# Altium PCB UpDuino Camera Adaptor_V2.0_ASCII.PcbDoc
Units mm, origin at the board's own origin, x right, y up, seen from the top; angles counter-clockwise.
Board outline 50 x 24 mm, 4 copper layers (Top Layer, GND, PWR, Bottom Layer), stack 0.778 mm thick; 82 components, 69 nets, 292 pads, 127 vias.
Unrouted connection lines stored in the file: 121.
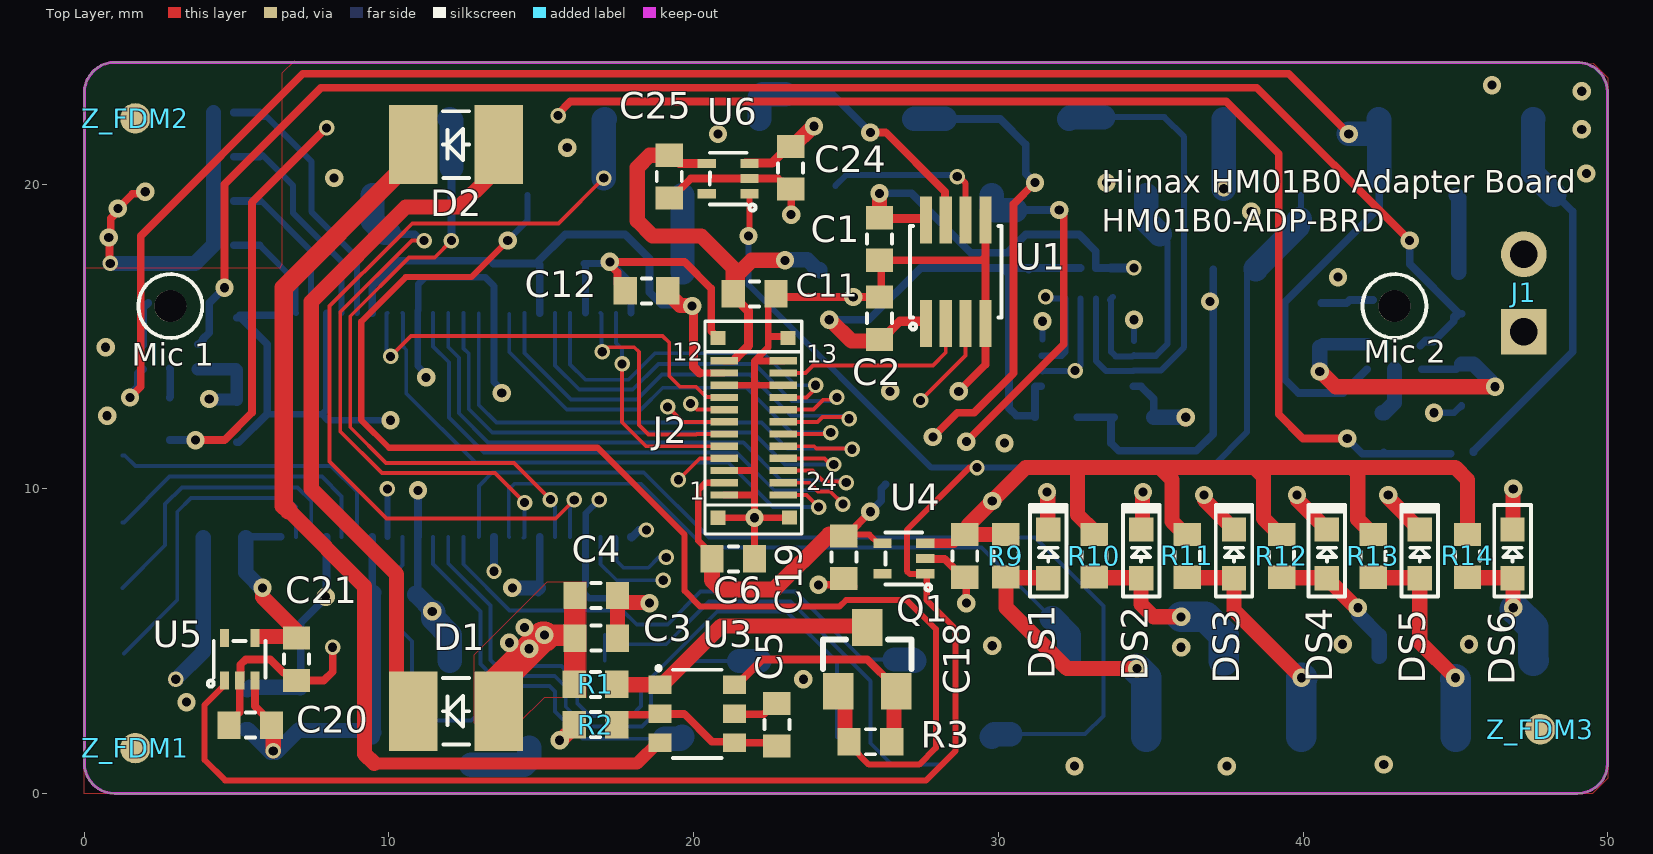
[diagram p0: Top Layer view]
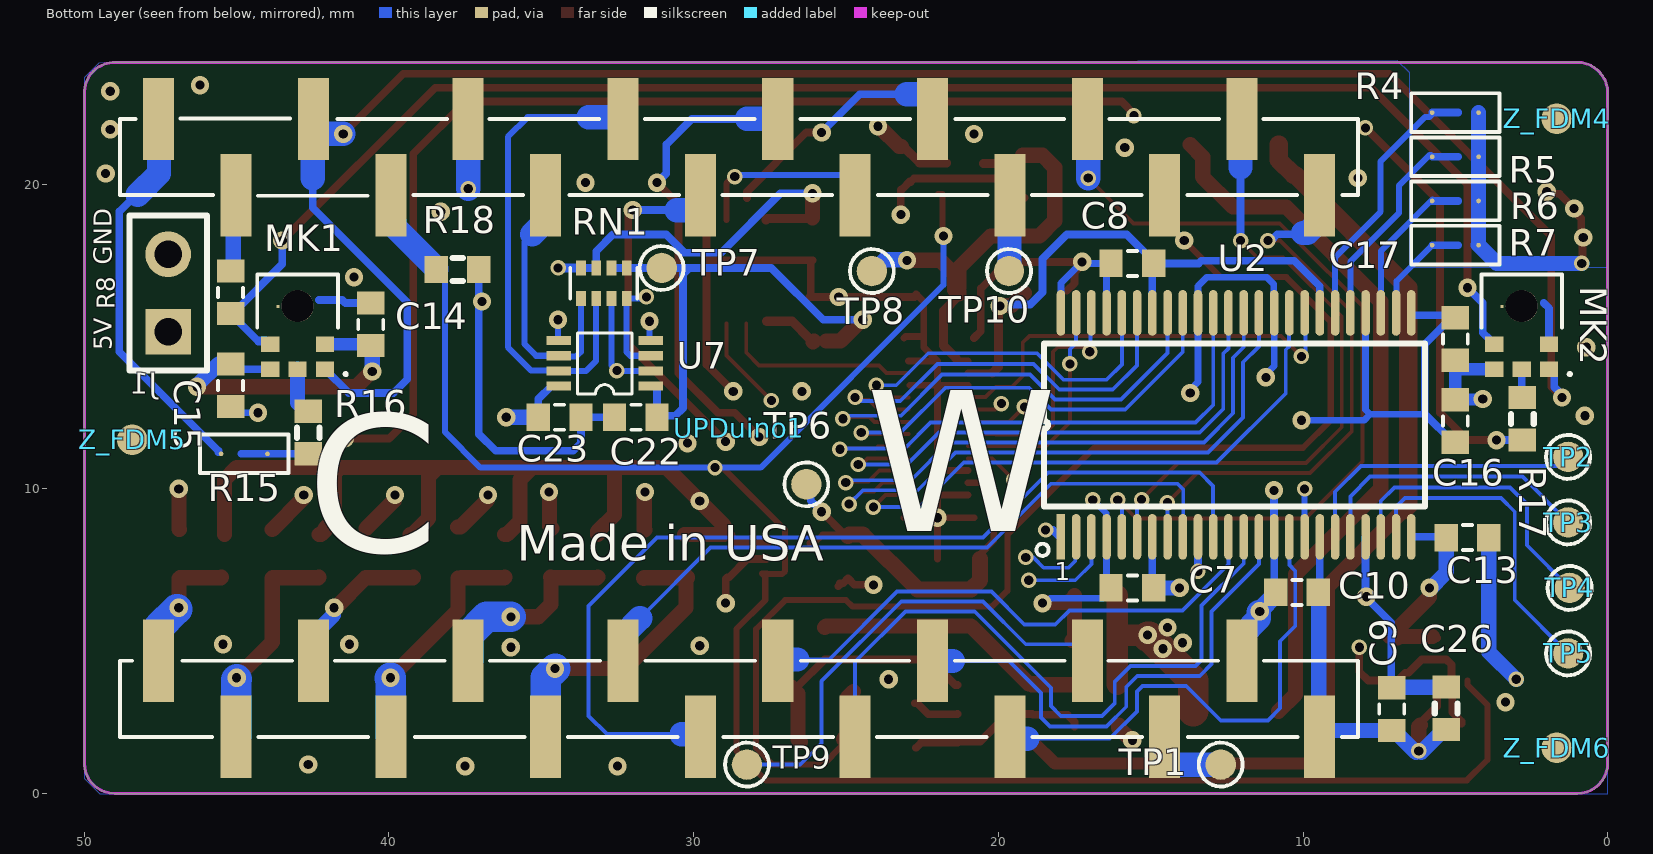
[diagram p1: Bottom Layer view, seen from below]
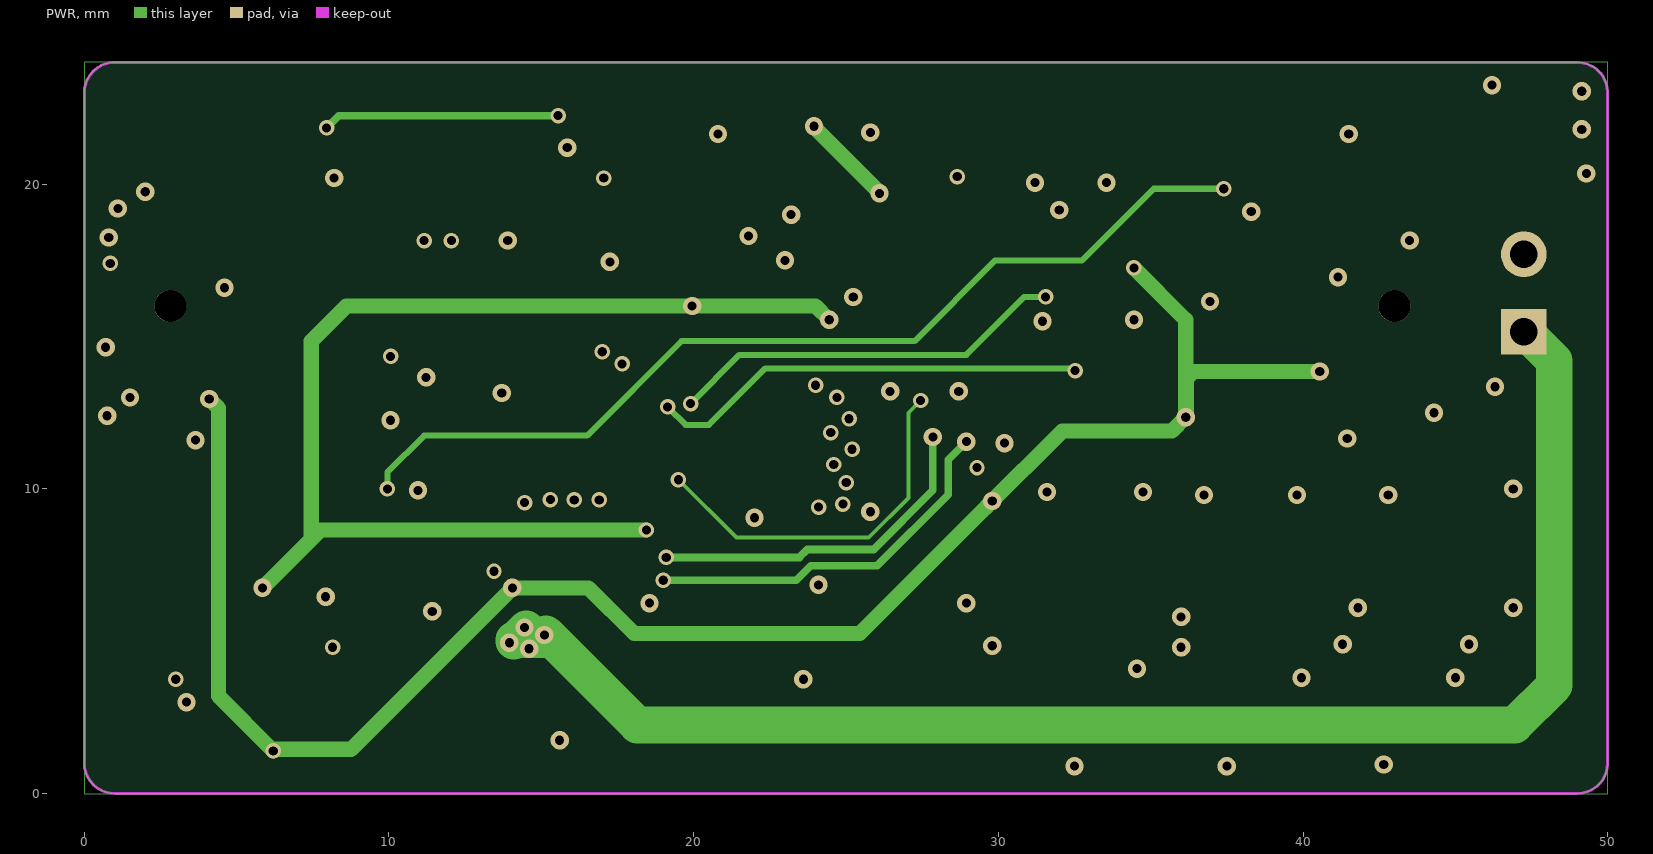
[diagram p2: PWR]

## Layer stack, top to bottom
Top Solder: solder mask 0.0102, Solder Resist, Dk 3.5
Top Layer: signal copper 0.0356
Dielectric 1: core 0.254, FR-4, Dk 4.2
GND: signal copper 0.036
Dielectric 3: prepreg 0.127, Dk 4.2
PWR: signal copper 0.036
Dielectric 2: core 0.254, Dk 4.2
Bottom Layer: signal copper 0.0356
Bottom Solder: solder mask 0.0102, Solder Resist, Dk 3.5

## Board outline
0,1 0,23 cw(c1,23) 1,24 49,24 cw(c49,23) 50,23 50,1 cw(c49,1) 49,0 1,0 cw(c1,1)

## Design rules (kind name [scope] priority, off if disabled: settings)
AssemblyTestPointUsage [All] p0: scope1count=1 scope1_0_kind=Board scope1_0_value=Board scope2count=1 scope2_0_kind=Board scope2_0_value=Board commentlength=0
AssemblyTestpoint [All] p0: scope1count=1 scope1_0_kind=Board scope1_0_value=Board scope2count=1 scope2_0_kind=Board scope2_0_value=Board commentlength=0
Clearance [All] p0: scope1count=1 scope1_0_kind=Board scope1_0_value=Board scope2count=1 scope2_0_kind=Board scope2_0_value=Board commentlength=0 gap=0.2
Clearance [All] p1: gap=0.2 ignorepadtopadclearanceinfootprint=FALSE except(0.15: Region-Region; 0.152: Track-Track Track-SMDPad SMDPad-SMDPad)
ComponentClearance [All] p0: scope1count=1 scope1_0_kind=Board scope1_0_value=Board scope2count=1 scope2_0_kind=Board scope2_0_value=Board commentlength=0 gap=0.254 collisioncheckmode=3
DiffPairsRouting [All] p0: scope1count=1 scope1_0_kind=Board scope1_0_value=Board scope2count=1 scope2_0_kind=Board scope2_0_value=Board commentlength=0
FabricationTestPointUsage [All] p0: scope1count=1 scope1_0_kind=Board scope1_0_value=Board scope2count=1 scope2_0_kind=Board scope2_0_value=Board commentlength=0 valid=0 allowmultiple=FALSE
FabricationTestpoint [All] p0: scope1count=1 scope1_0_kind=Board scope1_0_value=Board scope2count=1 scope2_0_kind=Board scope2_0_value=Board commentlength=0 side=3 testpointundercomponent=TRUE minsize=1.016 maxsize=2.54 preferedsize=1.524 minholesize=0 maxholesize=1.016 preferedholesize=0.813 testpointgrid=0.025
FanoutControl Fanout_Default [All] p0: scope1count=1 scope1_0_kind=Board scope1_0_value=Board scope2count=1 scope2_0_kind=Board scope2_0_value=Board commentlength=30 // Fanout_Default (Default Rule)
FanoutControl Fanout_Small [All] p0 off: scope1count=1 scope1_0_kind=Board scope1_0_value=Board scope2count=1 scope2_0_kind=Board scope2_0_value=Board commentlength=84 // Protel DXP Scope 1 Expression Was: (CompPinCount < 5)   Fanout_Small (Default Rule)
FanoutControl Fanout_SOIC [All] p0 off: scope1count=1 scope1_0_kind=Board scope1_0_value=Board scope2count=1 scope2_0_kind=Board scope2_0_value=Board commentlength=71 // Protel DXP Scope 1 Expression Was: IsSOIC   Fanout_SOIC (Default Rule)
FanoutControl Fanout_LCC [All] p0 off: scope1count=1 scope1_0_kind=Board scope1_0_value=Board scope2count=1 scope2_0_kind=Board scope2_0_value=Board commentlength=69 // Protel DXP Scope 1 Expression Was: IsLCC   Fanout_LCC (Default Rule)
FanoutControl Fanout_BGA [All] p0 off: scope1count=1 scope1_0_kind=Board scope1_0_value=Board scope2count=1 scope2_0_kind=Board scope2_0_value=Board commentlength=69 // Protel DXP Scope 1 Expression Was: IsBGA   Fanout_BGA (Default Rule)
Height [All] p0: scope1count=1 scope1_0_kind=Board scope1_0_value=Board scope2count=1 scope2_0_kind=Board scope2_0_value=Board commentlength=0
HoleSize [All] p0: scope1count=1 scope1_0_kind=Board scope1_0_value=Board scope2count=1 scope2_0_kind=Board scope2_0_value=Board commentlength=0 absolutevalues=TRUE maxlimit=5 minlimit=0.254 maxpercent=80.000 minpercent=20.000
HoleSize [All] p1: absolutevalues=TRUE maxlimit=5 minlimit=0.254 maxpercent=80.000 minpercent=20.000
HoleToHoleClearance [All] p0: scope1count=1 scope1_0_kind=Board scope1_0_value=Board scope2count=1 scope2_0_kind=Board scope2_0_value=Board commentlength=0
LayerPairs [All] p0: scope1count=1 scope1_0_kind=Board scope1_0_value=Board scope2count=1 scope2_0_kind=Board scope2_0_value=Board commentlength=0 enforce=TRUE
MinimumSolderMaskSliver [All] p0: scope1count=1 scope1_0_kind=Board scope1_0_value=Board scope2count=1 scope2_0_kind=Board scope2_0_value=Board commentlength=0
MinimumSolderMaskSliver [All] p1: minsoldermaskwidth=0
NetAntennae [All] p0: scope1count=1 scope1_0_kind=Board scope1_0_value=Board scope2count=1 scope2_0_kind=Board scope2_0_value=Board commentlength=0
PasteMaskExpansion [All] p0: scope1count=1 scope1_0_kind=Board scope1_0_value=Board scope2count=1 scope2_0_kind=Board scope2_0_value=Board commentlength=0 expansion=0
PlaneClearance [All] p0: scope1count=1 scope1_0_kind=Board scope1_0_value=Board scope2count=1 scope2_0_kind=Board scope2_0_value=Board commentlength=0 clearance=0.508
PlaneConnect [All] p0: scope1count=1 scope1_0_kind=Board scope1_0_value=Board scope2count=1 scope2_0_kind=Board scope2_0_value=Board commentlength=0 planeconnectstyle=Relief reliefexpansion=0.508 reliefentries=4 reliefconductorwidth=0.254 reliefairgap=0.254
PolygonConnect [All] p0: scope1count=1 scope1_0_kind=Board scope1_0_value=Board scope2count=1 scope2_0_kind=Board scope2_0_value=Board commentlength=0 connectstyle=Direct reliefconductorwidth=0.254 reliefentries=4 polygonreliefangle="90 Angle"
PolygonConnect [All] p1: connectstyle=Direct reliefconductorwidth=0.254 reliefentries=4 polygonreliefangle="90 Angle" airgapwidth=0.254
RoutingCorners [All] p0: scope1count=1 scope1_0_kind=Board scope1_0_value=Board scope2count=1 scope2_0_kind=Board scope2_0_value=Board commentlength=0 cornerstyle=45-Degree minsetback=2.54 maxsetback=2.54
RoutingLayers [All] p0: scope1count=1 scope1_0_kind=Board scope1_0_value=Board scope2count=1 scope2_0_kind=Board scope2_0_value=Board commentlength=0 top layer=Automatic mid layer 1=Automatic mid layer 2=Automatic bottom layer=Automatic
RoutingPriority [All] p0: scope1count=1 scope1_0_kind=Board scope1_0_value=Board scope2count=1 scope2_0_kind=Board scope2_0_value=Board commentlength=0
RoutingTopology [All] p0: scope1count=1 scope1_0_kind=Board scope1_0_value=Board scope2count=1 scope2_0_kind=Board scope2_0_value=Board commentlength=0 topology=Shortest
RoutingVias [All] p0: scope1count=1 scope1_0_kind=Board scope1_0_value=Board scope2count=1 scope2_0_kind=Board scope2_0_value=Board commentlength=0 holewidth=0.3 width=0.6 viastyle="Through Hole" minholewidth=0.254 minwidth=0.508 maxholewidth=2 maxwidth=3
RoutingVias [All] p1: holewidth=0.3 width=0.6 viastyle="Through Hole" minholewidth=0.254 minwidth=0.508 maxholewidth=2 maxwidth=3
ShortCircuit [All] p0: scope1count=1 scope1_0_kind=Board scope1_0_value=Board scope2count=1 scope2_0_kind=Board scope2_0_value=Board commentlength=0 allowed=FALSE
SilkToBoardRegionClearance [All] p0: scope1count=1 scope1_0_kind=Board scope1_0_value=Board scope2count=1 scope2_0_kind=Board scope2_0_value=Board commentlength=0
SilkToSilkClearance [All] p0: scope1count=1 scope1_0_kind=Board scope1_0_value=Board scope2count=1 scope2_0_kind=Board scope2_0_value=Board commentlength=0
SilkToSilkClearance [All] p1: silktosilkclearance=0.05
SilkToSolderMaskClearance [All] p0 off: scope1count=1 scope1_0_kind=Board scope1_0_value=Board scope2count=1 scope2_0_kind=Board scope2_0_value=Board commentlength=44 // Protel DXP Scope 1 Expression Was: IsPad
SilkToSolderMaskClearance [IsPad] p1: minsilkscreentomaskgap=0 clearancetoexposedcopper=TRUE
SolderMaskExpansion [All] p0: scope1count=1 scope1_0_kind=Board scope1_0_value=Board scope2count=1 scope2_0_kind=Board scope2_0_value=Board commentlength=0 expansion=0.102
SolderMaskExpansion [All] p1: expansion=0.102 istentingtop=FALSE
UnRoutedNet [All] p0: scope1count=1 scope1_0_kind=Board scope1_0_value=Board scope2count=1 scope2_0_kind=Board scope2_0_value=Board commentlength=0
UnpouredPolygon [All] p0: scope1count=1 scope1_0_kind=Board scope1_0_value=Board scope2count=1 scope2_0_kind=Board scope2_0_value=Board commentlength=0
Width [All] p0: scope1count=1 scope1_0_kind=Board scope1_0_value=Board scope2count=1 scope2_0_kind=Board scope2_0_value=Board commentlength=0 maxlimit=5 minlimit=0.127 preferedwidth=0.254
Width [All] p1: maxlimit=5 minlimit=0.127 preferedwidth=0.254
26 further rules are at their usual default settings.

## Components (designator, comment, footprint, x,y, rotation, side; value= is the part's Value field where it differs from the comment)
C1 "0.1uF" C0603 26.1,18.2 r270 top
C2 "0.1uF" C0603 26.1,15.6 r90 top
C3 "DNI" C0603 16.8,5.1 r0 top
C4 "4.7uF" C0603 16.8,6.5 r0 top
C5 "1nF" C0603 22.732,2.261 r270 top
C6 "0.1uF" C0603 21.3,7.7 r0 top
C7 "0.1uF" C0603 15.6,6.75 r0 bottom
C8 "0.1uF" C0603 15.6,17.4 r0 bottom
C9 "4.7uF" C0603 7.087,2.771 r270 bottom
C10 "0.1uF" C0603 10.2,6.6 r0 bottom
C11 "0.1uF" C0603 22,16.4 r0 top
C12 "0.1uF" C0603 18.45,16.5 r180 top
C13 "0.1uF" C0603 4.6,8.4 r180 bottom
C14 "0.1uF" C0603 40.6,15.4 r90 bottom
C15 "220pF" C0603 45.2,13.4 r270 bottom
C16 "0.1uF" C0603 5.001,12.225 r270 bottom
C17 "220pF" C0603 5.001,14.921 r90 bottom
C18 "0.1uF" C0603 28.9,7.8 r90 top
C19 "4.7uF" C0603 24.933,7.756 r90 top
C20 "0.1uF" C0603 5.45,2.247 r0 top
C21 "4.7uF" C0603 6.965,4.408 r90 top
C22 "0.1uF" C0603 31.9,12.35 r0 bottom
C23 "0.1uF" C0603 34.4,12.35 r180 bottom
C24 "0.1uF" C0603 23.182,20.536 r90 top
C25 "4.7uF" C0603 19.2,20.25 r90 top
C26 "4.7uF" C0603 5.3,2.802 r90 bottom
D1 "VSMY3850" PLCC-2 12.2,2.7 r0 top locked
D2 "VSMY3850" PLCC-2 12.2,21.3 r0 top locked
DS1 "GREEN" LED_0603_12 31.638,7.866 r270 top
DS2 "GREEN" LED_0603_12 34.686,7.866 r270 top
DS3 "GREEN" LED_0603_12 37.734,7.866 r270 top
DS4 "GREEN" LED_0603_12 40.782,7.866 r270 top
DS5 "GREEN" LED_0603_12 43.83,7.866 r270 top
DS6 "GREEN" LED_0603_12 46.878,7.866 r270 top
J1 "Header 2" HDR1X2 47.25,15.16 r90 top
J2 "503772-2420" MOLEX-5037722410_MOLEX 14.947,11.4 r90 top locked
MK1 "SPH0645LM4H-B" *MIC_SPH0645LM4H-B 43,16 r0 bottom
MK2 "SPH0645LM4H-B" *MIC_SPH0645LM4H-B 2.822,16 r0 bottom
Q1 "2N7002-G" SOT23-3 25.7,4.4 r0 top
R1 "12K" R0603 16.78,3.582 r180 top
R2 "5.6R" R0603 16.78,2.261 r180 top
R3 "12K" R0603 25.8,1.7 r180 top
R4 "0R" SB_0603 5,22.35 r180 bottom
R5 "0R" SB_0603 5,20.9 r180 bottom
R6 "0R" SB_0603 5,19.45 r180 bottom
R7 "0R" SB_0603 5,18 r180 bottom
R8 "22R" R0603 45.2,16.45 r90 bottom
R9 "1K" R0603 30.25,7.804 r90 top
R10 "1K" R0603 33.15,7.804 r90 top
R11 "1K" R0603 36.2,7.8 r90 top
R12 "1K" R0603 39.3,7.8 r90 top
R13 "1K" R0603 42.3,7.8 r90 top
R14 "1K" R0603 45.4,7.8 r90 top
R15 "0R" SB_0603 44.75,11.15 r0 bottom
R16 "22R" R0603 42.65,11.85 r90 bottom
R17 "22R" R0603 2.8,12.3 r90 bottom
R18 "12K" R0603 37.75,17.2 r0 bottom
RN1 "10K" RN4(0402) 32.95,16.75 r90 bottom
TP1 "TEST POINT" TP_SMD_D1 12.7,0.95 r180 bottom
TP2 "TEST POINT" TP_SMD_D1 1.3,11.05 r0 bottom
TP3 "TEST POINT" TP_SMD_D1 1.3,8.9 r180 bottom
TP4 "TEST POINT" TP_SMD_D1 1.25,6.75 r180 bottom
TP5 "TEST POINT" TP_SMD_D1 1.3,4.6 r180 bottom
TP6 "TEST POINT" TP_SMD_D1 26.3,10.15 r180 bottom
TP7 "TEST POINT" TP_SMD_D1 31.05,17.25 r270 bottom
TP8 "TEST POINT" TP_SMD_D1 24.15,17.15 r90 bottom
TP9 "TEST POINT" TP_SMD_D1 28.25,0.95 r180 bottom
TP10 "TEST POINT" TP_SMD_D1 19.65,17.15 r180 bottom
U1 "SN74AVC2T45DCTR" MSOP-8(2.95x2.80) 28.6,17.128 r0 top
U2 "SN74AVC16T245DGG" TSSOP-48 12.196,12.1 r180 bottom
U3 "AL5801W6-7" SOT-23-6-(SSOT-6) 20.117,2.614 r270 top
U4 "TCR2LE28,LM(CT" SOT-553 26.9,7.716 r90 top
U5 "TCR2LE18,LM(CT" SOT-553 5.1,4.408 r0 top
U6 "TCR2LE15,LM(CT" SOT-553 21.129,20.184 r90 top
U7 "TC7WPB9307FK,LF" SSOP8-P-0.50A 32.92,14.121 r0 bottom
UPDuino1 "Headers 2_1x16, 1_1x2" UPDuino-SMD 25.97,12 r0 bottom locked
Z_FDM1 "FCM" FID100X250N 1.675,1.48 r90 top
Z_FDM2 "FCM" FID100X250N 1.675,22.15 r90 top
Z_FDM3 "FCM" FID100X250N 47.79,2.101 r90 top
Z_FDM4 "FCM" FID100X250N 1.675,22.14 r90 bottom
Z_FDM5 "FCM" FID100X250N 48.43,11.6 r90 bottom
Z_FDM6 "FCM" FID100X250N 1.675,1.49 r90 bottom

## Footprints (in the part's own frame and the unit in brackets; to place one, negate y for a bottom-side part, rotate by r counter-clockwise, add the part's x,y. Pads: shape width x height; smd on the part's side, far side on the other; paste and mask are expansions set on the pad)
*MIC_SPH0645LM4H-B [mm]
  rect 0.6x0.522 smd: 1(-0.9,2.074) 2(-0.9,1.252) 4(0.9,1.252) 5(0.9,2.074) 6(0,2.074)
  rect 0.1x0.1 smd: 3(0.65,0.02)
  round 1.05 hole 1.05 unplated: None(0,0)
  silkscreen extent -1.63,-1.04 1.33,2.28
C0603 [mil]
  rect 30x35.43 smd mask+0: 1(-27.5,0) 2(27.48,0)
  silkscreen extent -6,-16 6,16
FID100X250N [mm]
  round 1 smd paste-0.5 mask+0: 1(0.01,0)
HDR1X2 [mm] "Connector; Header; 2 Position"
  rect 1.5x1.5 hole 0.9: 1(0,0)
  round 1.5 hole 0.9: 2(2.54,0)
LED_0603_12 [mm] "Blue 470nm LED Indication - Discrete 2.85V 0603 (1608 Metric)"
  rect 0.8x0.8 smd: 1(0.8,0) 2(-0.8,0)
  silkscreen extent -1.6,-0.6 1.4,0.6
MOLEX-5037722410_MOLEX [mm] "MOLEX-5037722410_MOLEX"
  rect 0.24x0.9 smd: 1(-1.6,-6.05) 2(-1.2,-6.05) 3(-0.8,-6.05) 4(-0.4,-6.05) 5(0,-6.05) 6(0.4,-6.05) 7(0.8,-6.05) 8(1.2,-6.05) 9(1.6,-6.05) 10(2,-6.05) 11(2.4,-6.05) 12(2.8,-6.05) 13(2.8,-8) 14(2.4,-8) 15(2,-8) 16(1.6,-8) 17(1.2,-8) 18(0.8,-8) 19(0.4,-8) 20(0,-8) 21(-0.4,-8) 22(-0.8,-8) 23(-1.2,-8) 24(-1.6,-8)
  rect 0.47x0.5 smd: GND1(-2.339,-8.202) GND2(3.55,-8.148) GND3(3.55,-5.851) GND4(-2.35,-5.85)
  silkscreen extent -2.88,-8.6 4.1,-5.42
MSOP-8(2.95x2.80) [mm] "SN74AVC2T45DCT-SM8"
  rect 0.4x1.55 smd: 1(-0.975,-1.7) 2(-0.325,-1.7) 3(0.325,-1.7) 4(0.975,-1.7) 5(0.975,1.7) 6(0.325,1.7) 7(-0.325,1.7) 8(-0.975,1.7)
  silkscreen extent -1.5,-1.9 1.5,1.5
PLCC-2 [mm] "3.5 x 2.8 x 1.75"
  rect 1.6x2.6 smd: A(1.4,0) C(-1.4,0)
  silkscreen extent -0.43,-1.09 0.43,1.09
R0603 [mil]
  rect 30x35.43 smd mask+0: 1(-27.5,0) 2(27.48,0)
  silkscreen extent -6,-16 6,16
RN4(0402) [mm]
  rect 0.5x0.32 smd mask+0: 1(-0.5,0.75) 2(-0.5,0.25) 3(-0.5,-0.25) 4(-0.5,-0.75) 5(0.5,-0.75) 6(0.5,-0.25) 7(0.5,0.25) 8(0.5,0.75)
  silkscreen extent -0.5,-1.1 0.5,1.1
SB_0603 [mil] "SB_0603"
  round 6 smd: 1(-30,0) 2(30,0)
  Top Layer lines w10: 3.6,0 -30,0
  silkscreen extent -57,-25 57,25
SOT23-3 [mm] "SOT23, 3-Leads, Body 3.0x2.6mm (max), Pitch 0.95mm, IPC Medium Density"
  rect 1x1.2 smd: 1(-0.95,-1.05) 2(0.95,-1.05) 3(0,1.05)
  silkscreen extent -1.45,-0.31 1.45,0.65
SOT-23-6-(SSOT-6) [mm]
  rect 0.61x0.75 smd: 1(-0.95,-1.225) 2(0,-1.225) 3(0.95,-1.225) 4(0.95,1.225) 5(0,1.225) 6(-0.95,1.225)
  silkscreen extent -1.57,-1.34 1.45,0.8
SOT-553 [mm]
  rect 0.3x0.6 smd: 1(-0.5,-0.7) 2(0,-0.7) 3(0.5,-0.7) 4(0.5,0.7) 5(-0.5,0.7)
  silkscreen extent -1.05,-0.9 0.85,0.6
SSOP8-P-0.50A [mm]
  rect 0.8x0.3 smd: 1(-1.51,0.75) 2(-1.51,0.25) 3(-1.51,-0.25) 4(-1.51,-0.75) 5(1.51,-0.75) 6(1.51,-0.25) 7(1.51,0.25) 8(1.51,0.75)
  silkscreen extent -0.89,-1 0.89,1
TP_SMD_D1 [mm] "Test Point_D1MM"
  round 1 smd: 1(0,0)
  silkscreen extent -0.72,-0.72 0.72,0.72
TSSOP-48 [mm]
  rect 0.28x1.5 smd: 1(-5.75,-3.675)
  oval 0.28x1.5 smd: 2(-5.25,-3.675) 3(-4.75,-3.675) 4(-4.25,-3.675) 5(-3.75,-3.675) 6(-3.25,-3.675) 7(-2.75,-3.675) 8(-2.25,-3.675) 9(-1.75,-3.675) 10(-1.25,-3.675) 11(-0.75,-3.675) 12(-0.25,-3.675) 13(0.25,-3.675) 14(0.75,-3.675) 15(1.25,-3.675) 16(1.75,-3.675) 17(2.25,-3.675) 18(2.75,-3.675) 19(3.25,-3.675) 20(3.75,-3.675) 21(4.25,-3.675) 22(4.75,-3.675) 23(5.25,-3.675) 24(5.75,-3.675) 25(5.75,3.675) 26(5.25,3.675) 27(4.75,3.675) 28(4.25,3.675) 29(3.75,3.675) 30(3.25,3.675) 31(2.75,3.675) 32(2.25,3.675) 33(1.75,3.675) 34(1.25,3.675) 35(0.75,3.675) 36(0.25,3.675) 37(-0.25,3.675) 38(-0.75,3.675) 39(-1.25,3.675) 40(-1.75,3.675) 41(-2.25,3.675) 42(-2.75,3.675) 43(-3.25,3.675) 44(-3.75,3.675) 45(-4.25,3.675) 46(-4.75,3.675) 47(-5.25,3.675) 48(-5.75,3.675)
  silkscreen extent -6.3,-2.67 6.2,2.68
UPDuino-SMD [mm]
  rect 1.02x2.7 smd: 1(-16.51,10.14) 2(-13.97,7.64) 3(-11.43,10.14) 4(-8.89,7.64) 5(-6.35,10.14) 6(-3.81,7.64) 7(-1.27,10.14) 8(1.27,7.64) 9(3.81,10.14) 10(6.35,7.64) 11(8.89,10.14) 12(11.43,7.64) 13(13.97,10.14) 14(16.51,7.64) 15(19.05,10.14) 16(21.59,7.64) 17(21.59,-10.14) 18(19.05,-7.64) 19(16.51,-10.14) 20(13.97,-7.64) 21(11.43,-10.14) 22(8.89,-7.64) 23(6.35,-10.14) 24(3.81,-7.64) 25(1.27,-10.14) 26(-1.27,-7.64) 27(-3.81,-10.14) 28(-6.35,-7.64) 29(-8.89,-10.14) 30(-11.43,-7.64) 31(-13.97,-10.14) 32(-16.51,-7.64)
  silkscreen extent -17.78,-10.16 22.86,10.14

## Part data
C1 C2 C6 C7 C10 C11 C12 C14 C16 C22 C23: library part Cap_100nF_X7R_10%_0402, "CAP CER 0.1UF 6.3V X5R 0603"
C3: library part Cap_100nF_X7R_10%_0402
C4 C26: library part Cap_100nF_X7R_10%_0402, "CAP CER 4.7UF 6.3V X5R 0603"
C5 C8 C13: library part Cap_100nF_X7R_10%_0402, "CAP CER 0.1UF 6.3V X5R 0402"
C9: library part "CAP NP", "4.7 uF 6.3V X5R"
C15 C17: library part CAP
C18 C20 C24: library part Cap_1uF_X5R_10%_6V3_0402, "CAP CER 0.1UF 6.3V X5R 0603"
C19 C21 C25: library part Cap_1uF_X5R_10%_6V3_0402, "CAP CER 4.7UF 6.3V X5R 0603"
D1 D2: library part LED, "EMITTER IR 850NM 70MA 3.20MM SMD"
DS1 DS2 DS3 DS4 DS5 DS6: library part LED_1, "Avago HSMG-C170"
J1: "Header, 2-Pin"
J2: library part "Header 12X2A", "Header, 12-Pin, Dual row"
MK1 MK2: "Mic Mems Digital I2s Omni -26db"
Q1: "MOSFET (N-Channel)"
R1 R2 R3 R4 R5 R6 R7 R8 R9 R10 R11 R12 R13 R14 R15 R16 R17 R18: library part R_SH
RN1: library part EXB28V, "Resistors pack 2010 (0804 imperial) convex"
U1 U2 U3: "Integrated Circuit"
U4 U5 U6: library part TCR2LE12ESV
U7: library part TC7WPB9307FK, "Dual bidirectional level translator"
UPDuino1: library part UPDuino_Breakout, "UPDuino Breakout Headers"

## Via types
v1: diameter 0.6, hole 0.3, Top Layer to Bottom Layer, tented both sides, 87 vias
v2: diameter 0.508, hole 0.3, Top Layer to Bottom Layer, tented both sides, 40 vias


## Text inside footprints (layer, text, board x,y; h text height)
R10: Mechanical 32 "Remark: ***" at 31.448,5.366 h0.64 r90; Mechanical 32 "Rev   : B1" at 30.432,5.366 h0.64 r90; Mechanical 32 "Date  : 2007-05-10" at 29.416,5.366 h0.64 r90; Mechanical 32 "Creat : Sofer Tech" at 28.4,5.366 h0.64 r90; Mechanical 32 "Ref PN: ***" at 27.384,5.366 h0.64 r90; Mechanical 32 "Sofer Lib Information" at 26.114,4.604 h0.64 r90; Mechanical 32 "Approved" at 33.15,4.959 h0.89 r90; Mechanical 32 "100nF" at 33.404,6.788 h0.51 r90; Mechanical 32 "C0603" at 34.801,6.28 h0.76 r90; Mechanical 32 "1" at 33.15,6.879 h0.41 r90; Mechanical 32 "2" at 33.15,8.403 h0.41 r90
R11: Mechanical 32 "Remark: ***" at 34.498,5.362 h0.64 r90; Mechanical 32 "Rev   : B1" at 33.482,5.362 h0.64 r90; Mechanical 32 "Date  : 2007-05-10" at 32.466,5.362 h0.64 r90; Mechanical 32 "Creat : Sofer Tech" at 31.45,5.362 h0.64 r90; Mechanical 32 "Ref PN: ***" at 30.434,5.362 h0.64 r90; Mechanical 32 "Sofer Lib Information" at 29.164,4.6 h0.64 r90; Mechanical 32 "Approved" at 36.2,4.955 h0.89 r90; Mechanical 32 "100nF" at 36.454,6.784 h0.51 r90; Mechanical 32 "C0603" at 37.851,6.276 h0.76 r90; Mechanical 32 "1" at 36.2,6.875 h0.41 r90; Mechanical 32 "2" at 36.2,8.399 h0.41 r90
R12: Mechanical 32 "Remark: ***" at 37.598,5.362 h0.64 r90; Mechanical 32 "Rev   : B1" at 36.582,5.362 h0.64 r90; Mechanical 32 "Date  : 2007-05-10" at 35.566,5.362 h0.64 r90; Mechanical 32 "Creat : Sofer Tech" at 34.55,5.362 h0.64 r90; Mechanical 32 "Ref PN: ***" at 33.534,5.362 h0.64 r90; Mechanical 32 "Sofer Lib Information" at 32.264,4.6 h0.64 r90; Mechanical 32 "Approved" at 39.3,4.955 h0.89 r90; Mechanical 32 "100nF" at 39.554,6.784 h0.51 r90; Mechanical 32 "C0603" at 40.951,6.276 h0.76 r90; Mechanical 32 "1" at 39.3,6.875 h0.41 r90; Mechanical 32 "2" at 39.3,8.399 h0.41 r90
R13: Mechanical 32 "Remark: ***" at 40.598,5.362 h0.64 r90; Mechanical 32 "Rev   : B1" at 39.582,5.362 h0.64 r90; Mechanical 32 "Date  : 2007-05-10" at 38.566,5.362 h0.64 r90; Mechanical 32 "Creat : Sofer Tech" at 37.55,5.362 h0.64 r90; Mechanical 32 "Ref PN: ***" at 36.534,5.362 h0.64 r90; Mechanical 32 "Sofer Lib Information" at 35.264,4.6 h0.64 r90; Mechanical 32 "Approved" at 42.3,4.955 h0.89 r90; Mechanical 32 "100nF" at 42.554,6.784 h0.51 r90; Mechanical 32 "C0603" at 43.951,6.276 h0.76 r90; Mechanical 32 "1" at 42.3,6.875 h0.41 r90; Mechanical 32 "2" at 42.3,8.399 h0.41 r90
R14: Mechanical 32 "2" at 45.4,8.399 h0.41 r90; Mechanical 32 "1" at 45.4,6.875 h0.41 r90; Mechanical 32 "C0603" at 47.051,6.276 h0.76 r90; Mechanical 32 "100nF" at 45.654,6.784 h0.51 r90; Mechanical 32 "Approved" at 45.4,4.955 h0.89 r90; Mechanical 32 "Sofer Lib Information" at 38.364,4.6 h0.64 r90; Mechanical 32 "Ref PN: ***" at 39.634,5.362 h0.64 r90; Mechanical 32 "Creat : Sofer Tech" at 40.65,5.362 h0.64 r90; Mechanical 32 "Date  : 2007-05-10" at 41.666,5.362 h0.64 r90; Mechanical 32 "Rev   : B1" at 42.682,5.362 h0.64 r90; Mechanical 32 "Remark: ***" at 43.698,5.362 h0.64 r90
R15: Mechanical 32 "1" at 44.064,11.651 h0.41 r180; Mechanical 32 "2" at 45.436,11.651 h0.41 r180